# Allegro board AX7021B.brd (continued)
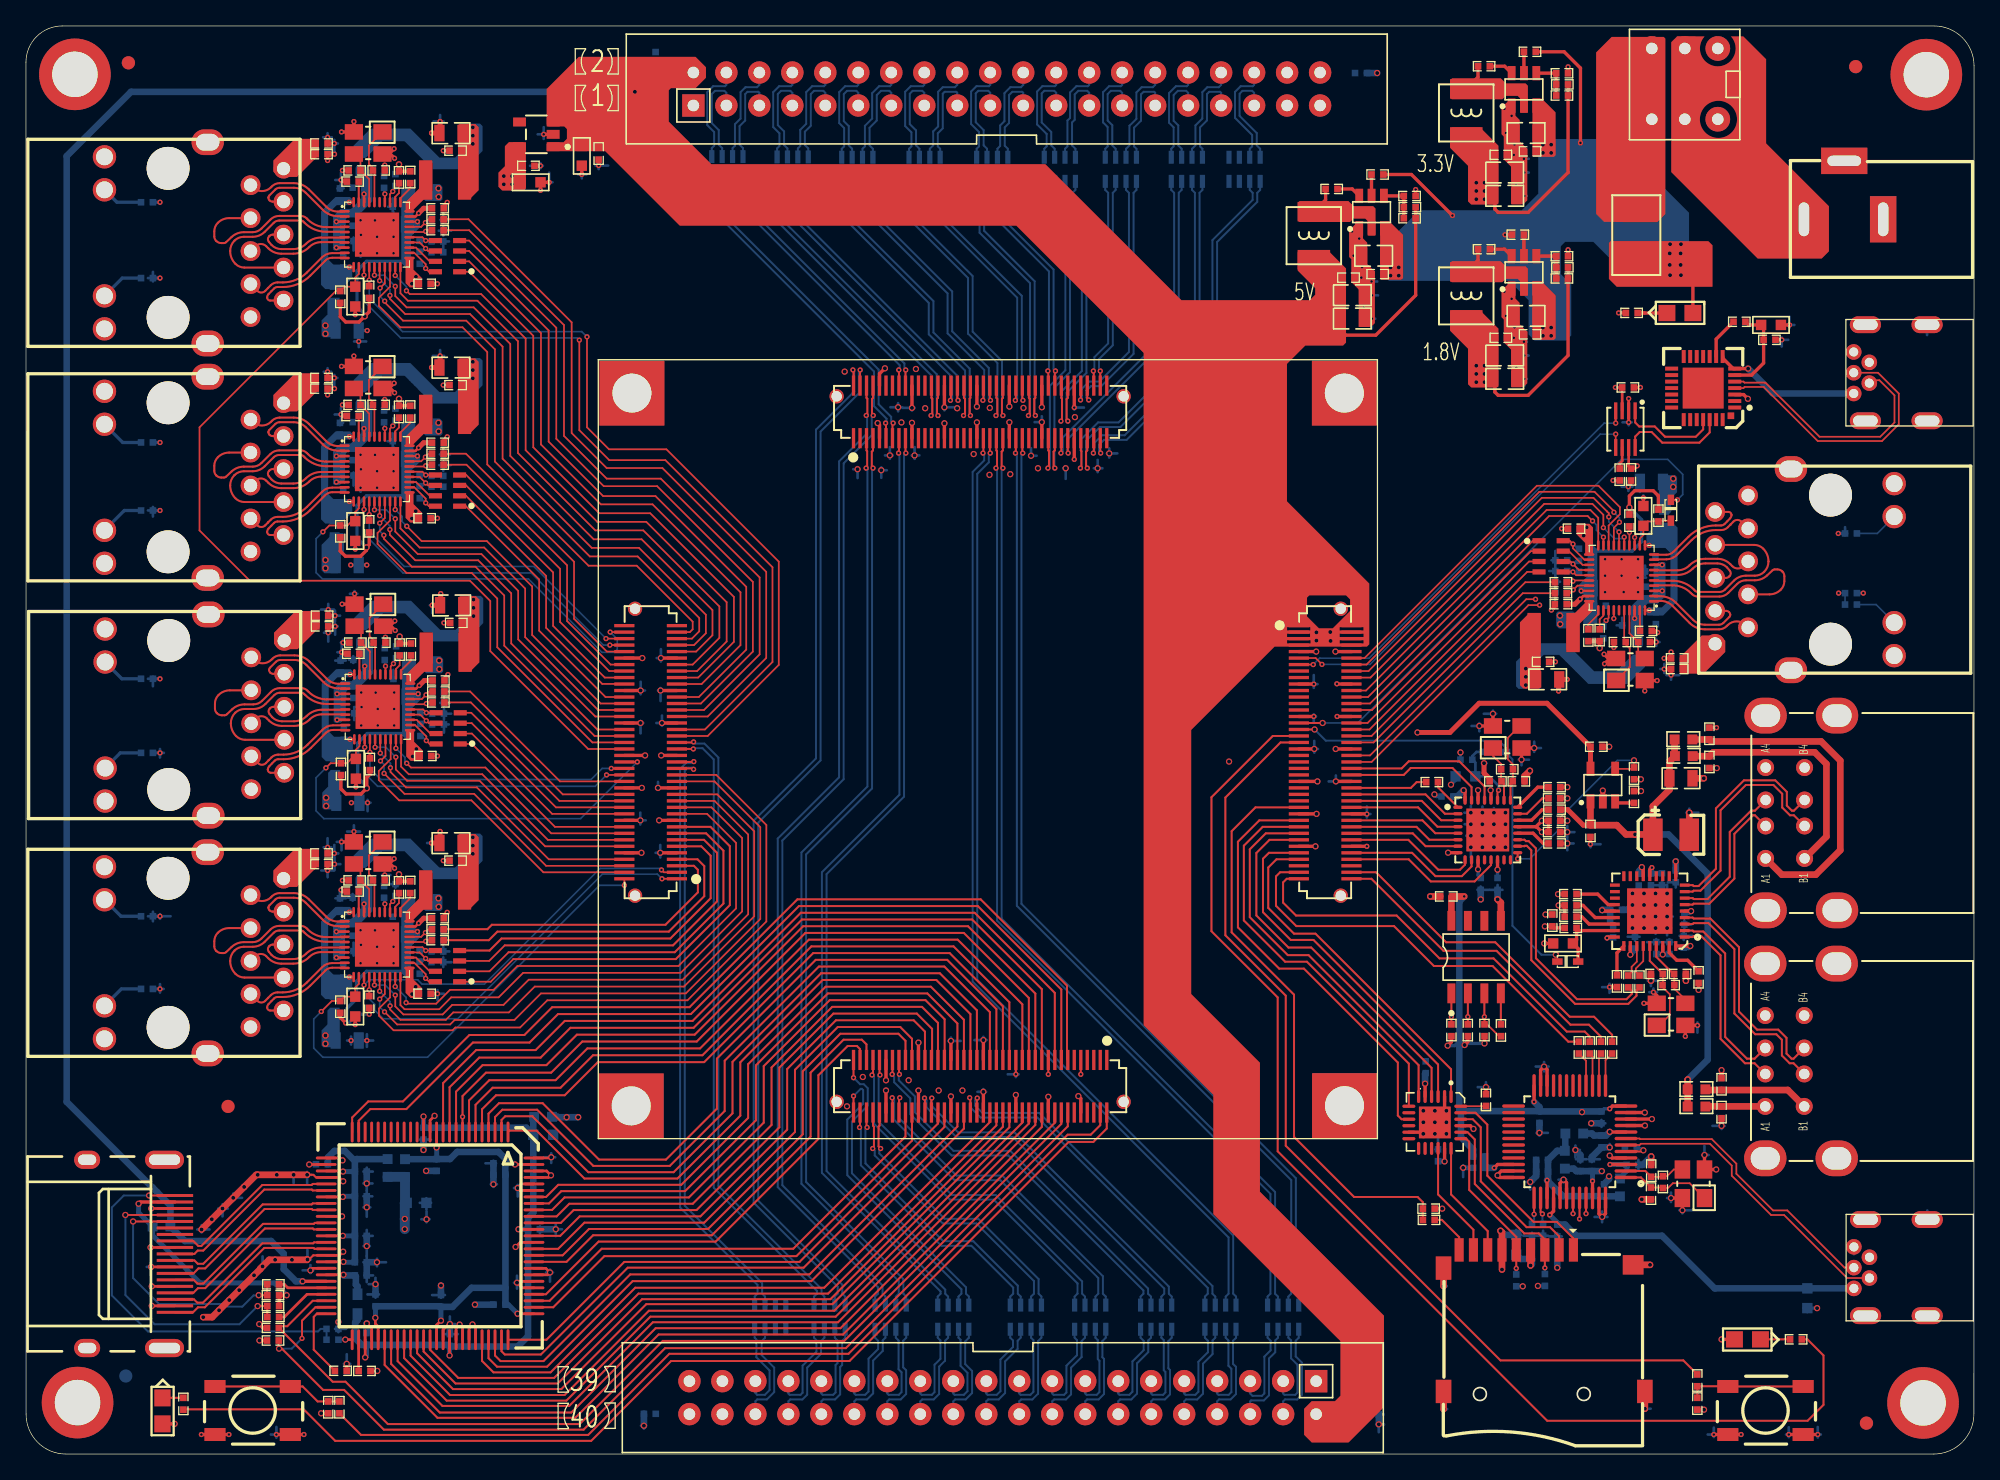
[diagram p0: board, top side]
## Routing (per net, layer and track width the routed paths; a pad name or vN(x,y) marks a point on that pad's centre or on a via; arc(x,y) is an arc through that point) (continued)
  BOTTOM w0.203: 124.5,3.49 v3(124.66,3.49) ; v3(124.66,3.49) 124.66,4.05 ; v3(124.66,3.49) 125.11,3.49 ; v3(124.66,3.49) 124.66,3.33 ; 125.49,42.09 v3(125.49,42.29) ; v3(125.49,42.29) 124.92,42.29 ; v3(125.49,42.29) 125.69,42.29 ; v3(125.49,42.29) 125.49,42.73 ; C16.2 121.19,22.71 ; C16.2 120.58,22.49 ; C16.2 120.37,22.71 ; 110.79,48.51 v3(111.26,48.51) ; v3(111.26,48.51) 111.26,48.91 ; v3(111.26,48.51) 111.66,48.51 ; v3(111.26,48.51) 111.26,47.98 ; 31.77,37.89 R1053.1 ; R1053.1 32.77,37.89 ; R1053.1 32.14,38.25 ; R1053.1 32.14,37.51 ; 31.79,94.23 R1112.1 ; R1112.1 32.14,94.58 ; R1112.1 32.14,93.84 ; R1112.1 32.75,94.23 ; 108.99,3.46 v3(109.16,3.46) ; v3(109.16,3.46) 109.44,3.46 ; v3(109.16,3.46) 109.16,2.73 ; v3(109.16,3.46) 109.16,3.63 ; 124.92,40.51 v3(125.49,40.51) ; v3(125.49,40.51) 125.69,40.51 ; v3(125.49,40.51) 125.49,40.72 ; v3(125.49,40.51) 125.49,40.08 ; v1(103.64,87.45) 103.9,87.45 ; v1(103.64,87.45) 103.47,87.45 ; v1(103.64,87.45) 103.64,86.7 ; v1(103.64,87.45) 103.64,87.63 ; 98.98,56.81 v1(99.17,56.81) ; v1(99.17,56.81) 99.34,56.81 ; v1(99.17,56.81) 99.17,56.33 ; v1(99.17,56.81) 99.17,56.98 ; 28.05,59.7 C1525.2 ; C1525.2 28.44,59.7 ; C1525.2 28.3,60.4 ; C1525.2 28.3,59.56 ; 35.8,20.78 v3(36,20.78) ; v3(36,20.78) 36,20.58 ; v3(36,20.78) 36.26,20.78 ; 24.25,62.5 v1(24.42,62.5) ; v1(24.42,62.5) 24.42,62.33 ; v1(24.42,62.5) 24.95,62.5 ; v1(24.42,62.5) 24.42,62.72 ; v3(113.04,49.4) 113.04,49.76 ; v3(113.04,49.4) 113.69,49.4 ; v3(113.04,49.4) 113.04,49.14 ; v3(113.04,49.4) 112.78,49.4 ; 114.92,82.82 v1(115.38,82.82) ; v1(115.38,82.82) 115.38,82.27 ; v1(115.38,82.82) 115.57,82.82 ; v1(115.38,82.82) 115.38,83.01 ; 77.4,76.74 v3(77.4,76.9) ; v3(77.4,76.9) 77.24,76.9 ; v3(77.4,76.9) 77.4,77.48 ; v3(77.4,76.9) 77.82,76.9 ; v1(76.23,29.25) 76.23,29.63 ; v1(76.23,29.25) 75.6,29.25 ; v1(76.23,29.25) 76.44,29.25 ; v1(76.23,29.25) 76.23,29.04 ; 111.02,46.74 v3(111.26,46.74) ; v3(111.26,46.74) 111.26,45.97 ; v3(111.26,46.74) 111.26,46.9 ; v3(111.26,46.74) 111.42,46.74 ; 25.36,86.54 C1555.2 25.62,87.06 ; 82.23,75.93 v3(82.53,75.93) ; v3(82.53,75.93) 82.53,75.63 ; v3(82.53,75.93) 82.89,75.93 ; v3(82.53,75.93) 82.53,76.57 ; C81.2 30.84,19.7 ; C81.2 30.33,19.35 ; C81.2 31.19,19.35 ; C81.2 30.84,18.85 ; v3(118.69,47.03) 118.69,47.36 ; v3(118.69,47.03) 118.69,46.51 ; v3(118.69,47.03) 119.17,47.03 ; v3(118.69,47.03) 118.36,47.03 ; R1093.1 32.14,77.48 ; R1093.1 32.14,76.74 ; R1093.1 32.66,77 ; R1093.1 31.88,77 ; 112.15,47.02 v3(112.15,47.62) ; v3(112.15,47.62) 112.15,47.86 ; v3(112.15,47.62) 111.91,47.62 ; v3(112.15,47.62) 112.55,47.62 ; v1(103.62,90.32) 103.62,90.62 ; v1(103.62,90.32) 103.31,90.32 ; v1(103.62,90.32) 103.62,89.75 ; v1(103.62,90.32) 104.05,90.32 ; 25.76,92.23 v1(25.76,92.49) ; v1(25.76,92.49) 25.76,93.17 ; v1(25.76,92.49) 25.44,92.49 ; v1(25.76,92.49) 26.03,92.49 ; v3(80.06,75.93) 80.22,75.93 ; v3(80.06,75.93) 80.06,75.11 ; v3(80.06,75.93) 79.87,75.93 ; v3(80.06,75.93) 80.06,76.09 ; v1(40.29,97.96) 40.55,97.96 ; v1(40.29,97.96) 40.09,97.96 ; v1(40.29,97.96) 40.29,98.71 ; v1(40.29,97.96) 40.29,97.75 ; 40.05,13.99 v3(40.35,13.99) ; v3(40.35,13.99) 40.35,14.21 ; v3(40.35,13.99) 40.58,13.99 ; v3(40.35,13.99) 40.35,13.28 ; R1104.2 9.78,91.05 ; R1104.2 9.4,90.58 ; R1104.2 9.78,90.32 ; 124.11,67.24 v1(124.11,67.51) ; v1(124.11,67.51) 123.84,67.51 ; v1(124.11,67.51) 124.76,67.51 ; v1(124.11,67.51) 124.11,67.87 ; C1488.2 122.91,64.42 ; C1488.2 122.49,63.83 ; C1488.2 122.91,63.65 ; C1488.2 123.08,63.83 ; v1(99.17,59.3) 99.17,60 ; v1(99.17,59.3) 99.17,59.02 ; v1(99.17,59.3) 99.45,59.3 ; v1(99.17,59.3) 98.86,59.3 ; 24.03,79.43 C1539.2 ; C1539.2 24.18,79.25 ; C1539.2 24.18,79.58 ; C1539.2 24.42,79.43 ; 112.96,56.72 v3(112.96,57.02) ; v3(112.96,57.02) 112.26,57.02 ; v3(112.96,57.02) 112.96,57.27 ; v3(112.96,57.02) 113.21,57.02 ; v3(21.9,14.15) 21.9,14.56 ; v3(21.9,14.15) 21.9,13.94 ; v3(21.9,14.15) 21.31,14.15 ; v3(21.9,14.15) 22.11,14.15 ; 37.81,12.75 v3(37.81,13.2) ; v3(37.81,13.2) 37.58,13.2 ; v3(37.81,13.2) 38,13.2 ; v3(37.81,13.2) 37.81,13.74 ; 112.28,53.02 v3(112.28,53.21) ; v3(112.28,53.21) 112.12,53.21 ; v3(112.28,53.21) 112.28,53.55 ; v3(112.28,53.21) 112.47,53.21 ; 23.42,100.95 v1(23.75,100.95) ; v1(23.75,100.95) 23.75,100.27 ; v1(23.75,100.95) 24.02,100.95 ; v1(23.75,100.95) 23.75,101.22 ; v3(99.21,54.31) 99.49,54.31 ; v3(99.21,54.31) 99.21,54.93 ; v3(99.21,54.31) 99.21,54.03 ; v3(99.21,54.31) 98.82,54.31 ; J15.37 53.63,5.96 ; J15.37 53.63,5.43 ; J15.37 53.81,5.61 ; J15.37 52.97,5.61 ; v1(115.35,85.68) 115.35,85.9 ; v1(115.35,85.68) 115.35,85.26 ; v1(115.35,85.68) 114.77,85.68 ; v1(115.35,85.68) 115.57,85.68 ; 68.43,76.66 v3(68.43,76.92) ; v3(68.43,76.92) 68.2,76.92 ; v3(68.43,76.92) 68.43,77.56 ; v3(68.43,76.92) 68.8,76.92 ; 111.77,49.4 v3(112.15,49.4) ; v3(112.15,49.4) 112.69,49.4 ; v3(112.15,49.4) 112.15,49.03 ; v3(112.15,49.4) 112.15,49.87 ; 114.78,99.77 v1(115.35,99.77) ; v1(115.35,99.77) 115.35,99.34 ; v1(115.35,99.77) 115.72,99.77 ; v1(115.35,99.77) 115.35,100.14 ; v3(13.52,17.3) 13.52,17.63 ; v3(13.52,17.3) 13.19,17.3 ; v3(13.52,17.3) 13.52,17.07 ; v3(13.52,17.3) 14.13,17.3 ; v3(27.03,14.77) 27.72,14.77 ; v3(27.03,14.77) 27.03,14.46 ; v3(27.03,14.77) 27.03,15.04 ; 30.44,18.08 v3(30.85,18.08) ; v3(30.85,18.08) 30.85,18.69 ; v3(30.85,18.08) 31.08,18.08 ; v3(30.85,18.08) 30.85,17.85 ; 116.32,24.74 v3(116.55,24.74) ; v3(116.55,24.74) 117.19,24.74 ; v3(116.55,24.74) 116.55,24.52 ; 140.08,70.76 R1034.2 ; R1034.2 140.23,70.91 ; R1034.2 140.08,71.39 ; 73.73,27.54 v3(73.73,27.9) ; v3(73.73,27.9) 73.94,27.9 ; v3(73.73,27.9) 73.28,27.9 ; v3(73.73,27.9) 73.73,28.11 ; C1.2 117.92,17.02 ; C1.2 118.26,16.76 ; C1.2 117.26,16.76 ; 42.8,98.26 v1(42.8,98.57) ; v1(42.8,98.57) 42.5,98.57 ; v1(42.8,98.57) 43.17,98.57 ; v1(42.8,98.57) 42.8,99.21 ; v1(10.32,54.01) 10.32,54.3 ; v1(10.32,54.01) 10.32,53.65 ; v1(10.32,54.01) 10.61,54.01 ; v3(15.14,18.91) 15.54,18.91 ; v3(15.14,18.91) 14.81,18.91 ; v3(15.14,18.91) 15.14,19.24 ; v3(15.14,18.91) 15.14,18.31 ; 43.85,99.25 v1(44.1,99.25) ; v1(44.1,99.25) 44.1,99.5 ; v1(44.1,99.25) 44.83,99.25 ; v1(44.1,99.25) 44.1,98.98 ; 48.84,45.95 v3(48.84,46.31) ; v3(48.84,46.31) 48.49,46.31 ; v3(48.84,46.31) 48.84,46.91 ; v3(48.84,46.31) 49.25,46.31 ; 117.77,65.55 R1041.1 ; R1041.1 117.57,66.36 ; R1041.1 117.77,66.54 ; R1041.1 117.95,66.36 ; C225.2 127.7,41.1 ; C225.2 128.21,40.79 ; C225.2 127.43,40.79 ; C225.2 127.7,40.52 ; v1(137.98,1.5) 138.21,1.5 ; v1(137.98,1.5) 137.55,1.5 ; v1(137.98,1.5) 137.98,1.27 ; v1(137.98,1.5) 137.98,2.08 ; 9.4,72.68 R1086.2 ; R1086.2 9.78,72.95 ; R1086.2 9.78,72.22 ; 37.58,20.49 v3(37.86,20.49) ; v3(37.86,20.49) 37.86,19.84 ; v3(37.86,20.49) 38.1,20.49 ; v3(37.86,20.49) 37.86,20.73 ; v1(31.89,102.64) 31.89,103.14 ; v1(31.89,102.64) 31.38,102.64 ; v1(31.89,102.64) 31.89,102.37 ; v1(31.89,102.64) 32.16,102.64 ; v3(113.04,48.51) 113.04,48.75 ; v3(113.04,48.51) 113.67,48.51 ; v3(113.04,48.51) 113.04,48.14 ; v3(113.04,48.51) 112.8,48.51 ; v1(123.39,74.51) 123.71,74.51 ; v1(123.39,74.51) 122.88,74.51 ; v1(123.39,74.51) 123.39,74.19 ; v1(123.39,74.51) 123.39,75 ; 31.23,46.46 v1(31.23,47.06) ; v1(31.23,47.06) 31.64,47.06 ; v1(31.23,47.06) 30.89,47.06 ; v1(31.23,47.06) 31.23,47.41 ; v3(100.87,51.81) 100.87,52.26 ; v3(100.87,51.81) 101.01,51.81 ; v3(100.87,51.81) 100.32,51.81 ; v3(100.87,51.81) 100.87,51.67 ; HOLE3.1 101.54,27.19 ; HOLE3.1 102.16,26.83 ; HOLE3.1 101.18,26.83 ; HOLE3.1 101.54,26.45 ; J16.37 97.11,104.24 ; J16.37 96.75,103.87 ; J16.37 97.54,103.87 ; J16.37 97.11,103.29 ; 21.65,20.84 v3(21.65,21.51) ; v3(21.65,21.51) 21.43,21.51 ; v3(21.65,21.51) 21.99,21.51 ; v3(21.65,21.51) 21.65,21.73 ; 25.05,75.37 C1537.2 ; C1537.2 25.46,75.37 ; C1537.2 25.23,75.6 ; C1537.2 25.23,74.6 ; C15.2 124.17,22.66 ; C15.2 124.17,21.93 ; C15.2 123.87,22.28 ; 9.78,41.04 R1052.2 ; R1052.2 9.78,41.77 ; R1052.2 9.4,41.42 ; v1(26.93,58.65) 26.93,58.82 ; v1(26.93,58.65) 26.38,58.65 ; v1(26.93,58.65) 26.93,58.19 ; v1(26.93,58.65) 27.09,58.65 ; v1(115.38,98.7) 115.38,99.11 ; v1(115.38,98.7) 114.78,98.7 ; v1(115.38,98.7) 115.38,98.36 ; v1(115.38,98.7) 115.72,98.7 ; 109.16,12.79 v3(109.16,12.94) ; v3(109.16,12.94) 109.02,12.94 ; v3(109.16,12.94) 109.41,12.94 ; v3(109.16,12.94) 109.16,13.69 ; J10.P10 17.29,33.25 ; J10.P10 17.29,32.46 ; J10.P10 16.72,32.89 ; J10.P10 17.65,32.89 ; v3(40.8,17.31) 40.8,17.74 ; v3(40.8,17.31) 40.8,16.79 ; v3(40.8,17.31) 41.27,17.31 ; 31.69,34.94 v1(31.69,35.45) ; v1(31.69,35.45) 31.69,35.73 ; v1(31.69,35.45) 31.35,35.45 ; v1(31.69,35.45) 32.19,35.45 ; 25.28,56.54 C1520.2 ; C1520.2 25.28,57.45 ; C1520.2 25.67,57.06 ; C1520.2 25.1,57.06 ; 39.58,17 C66.2 ; C66.2 39.58,17.53 ; C66.2 39.36,17.31 ; 31.27,12.25 C71.2 ; C71.2 31.96,12.04 ; C71.2 32.26,12.25 ; v3(48.67,51.31) 49.22,51.31 ; v3(48.67,51.31) 48.67,51.77 ; v3(48.67,51.31) 48.51,51.31 ; v3(48.67,51.31) 48.67,51.16 ; R1076.1 32.63,57.86 ; R1076.1 32.19,58.42 ; R1076.1 31.91,57.86 ; R1076.1 32.19,57.58 ; 23.44,63.75 v1(23.81,63.75) ; v1(23.81,63.75) 23.81,63.12 ; v1(23.81,63.75) 24,63.75 ; v1(23.81,63.75) 23.81,63.95 ; 116.82,16.33 C3.1 ; C3.1 116.31,16.82 ; C3.1 116.82,17.2 ; C3.1 117.2,16.82 ; J11.16 14.44,49.17 ; J11.16 13.89,49.17 ; J11.16 14.05,48.57 ; J11.16 14.05,49.33 ; 113.74,87.67 v1(113.97,87.67) ; v1(113.97,87.67) 113.97,87.44 ; v1(113.97,87.67) 113.97,87.9 ; v1(113.97,87.67) 114.74,87.67 ; 25.23,92.7 C1551.2 ; C1551.2 25.5,93.43 ; C1551.2 25.23,93.7 ; C1551.2 25.05,93.43 ; 24.26,79.66 v1(24.26,80.07) ; v1(24.26,80.07) 24.26,80.6 ; v1(24.26,80.07) 24.67,80.07 ; v1(24.26,80.07) 23.77,80.07 ; 27.76,43.9 R1046.2 ; R1046.2 28.45,43.62 ; R1046.2 28.73,43.9 ; 39.87,101.3 v1(39.87,101.65) ; v1(39.87,101.65) 39.87,102.2 ; v1(39.87,101.65) 40.22,101.65 ; v1(39.87,101.65) 39.41,101.65 ; 3.61,106.27 H1.1 ; H1.1 4.61,106.27 ; H1.1 3.77,106.11 ; H1.1 3.77,106.44 ; v3(115.16,53.49) 115.16,53.89 ; v3(115.16,53.49) 115.74,53.49 ; v3(115.16,53.49) 115.16,53.05 ; v3(115.16,53.49) 114.94,53.49 ; 125.01,62.54 v1(125.54,62.54) ; v1(125.54,62.54) 125.54,62.8 ; v1(125.54,62.54) 125.79,62.54 ; v1(125.54,62.54) 125.54,62.25 ; J10.16 14.65,30.86 ; J10.16 13.99,31.17 ; J10.16 13.68,30.86 ; J10.16 13.99,30.51 ; v3(26.24,19) 26.51,19 ; v3(26.24,19) 25.99,19 ; v3(26.24,19) 26.24,18.28 ; C4.1 115.97,17.04 ; C4.1 116.2,16.82 ; C4.1 115.31,16.82 ; C4.1 115.97,16.48 ; 127.65,39.6 C223.2 ; C223.2 128.3,39.92 ; C223.2 127.34,39.92 ; C223.2 127.65,40.23 ; v1(23.28,65.04) 23.72,65.04 ; v1(23.28,65.04) 22.72,65.04 ; v1(23.28,65.04) 23.28,64.6 ; v1(23.28,65.04) 23.28,65.48 ; 135.54,1.5 v1(135.74,1.5) ; v1(135.74,1.5) 136.2,1.5 ; v1(135.74,1.5) 135.74,2.06 ; v1(135.74,1.5) 135.74,1.29 ; 32.64,9.07 C68.2 ; C68.2 33.26,9.24 ; C68.2 32.29,9.24 ; v3(65.86,75.78) 66.29,75.78 ; v3(65.86,75.78) 65.86,76 ; v3(65.86,75.78) 65.86,75.2 ; v3(65.86,75.78) 65.68,75.78 ; v1(128.71,33.02) 128.84,33.02 ; v1(128.71,33.02) 128.71,32.46 ; v1(128.71,33.02) 128.71,33.25 ; v1(128.71,33.02) 128.49,33.02 ; v3(21.68,14.99) 21.68,15.72 ; v3(21.68,14.99) 21.94,14.99 ; v3(21.68,14.99) 21.68,14.78 ; v3(21.68,14.99) 21.47,14.99 ; CN1.1 143.3,95.11 ; CN1.1 143.01,95.61 ; CN1.1 143.01,94.82 ; CN1.1 142.51,95.11 ; 125.86,60.47 v1(126.16,60.47) ; v1(126.16,60.47) 126.77,60.47 ; v1(126.16,60.47) 126.16,60.87 ; v1(126.16,60.47) 126.16,60.16 ; 15.72,19.74 v3(15.96,19.74) ; v3(15.96,19.74) 16.64,19.74 ; v3(15.96,19.74) 15.96,19.49 ; v3(15.96,19.74) 15.96,20.07 ; v1(26.3,50.17) 26.53,50.17 ; v1(26.3,50.17) 26.3,50.39 ; v1(26.3,50.17) 26.3,49.52 ; 127.04,43.64 C226.2 ; C226.2 126.43,44.04 ; C226.2 127.04,44.19 ; C226.2 127.2,44.04 ; 24.26,97.76 v1(24.26,98.13) ; v1(24.26,98.13) 24.63,98.13 ; v1(24.26,98.13) 24.26,98.7 ; v1(24.26,98.13) 23.82,98.13 ; 27.48,76.37 C1541.2 ; C1541.2 27.48,76.85 ; C1541.2 28.2,76.66 ; C1541.2 27.29,76.66 ; v1(80.73,80.61) 80.73,80.81 ; v1(80.73,80.61) 81.47,80.61 ; v1(80.73,80.61) 80.73,80.45 ; v1(80.73,80.61) 80.62,80.61 ; 22.95,63.26 v1(23.28,63.26) ; v1(23.28,63.26) 23.28,62.58 ; v1(23.28,63.26) 23.28,63.47 ; v1(23.28,63.26) 23.49,63.26 ; 110.91,47.62 v3(111.26,47.62) ; v3(111.26,47.62) 111.54,47.62 ; v3(111.26,47.62) 111.26,47.9 ; v3(111.26,47.62) 111.26,46.97 ; 133.37,22.78 J5.S1 ; J5.S1 133.94,22.37 ; J5.S1 134.34,22.78 ; J5.S1 133.94,23.22 ; 31.33,84.58 v1(31.89,84.58) ; v1(31.89,84.58) 32.2,84.58 ; v1(31.89,84.58) 31.89,85.04 ; v1(31.89,84.58) 31.89,84.27 ; v3(9.64,14.41) 9.64,14.75 ; v3(9.64,14.41) 9.98,14.41 ; v3(9.64,14.41) 9.64,13.74 ; v3(9.64,14.41) 9.3,14.41 ; v1(103.26,49.3) 103.53,49.3 ; v1(103.26,49.3) 102.83,49.3 ; v1(103.26,49.3) 103.26,49.88 ; v1(103.26,49.3) 103.26,49.02 ; C11.2 121.32,25.73 ; C11.2 121.62,25.48 ; C11.2 121.32,25.2 ; 135.59,75.87 J4.16 ; J4.16 136.14,75.87 ; J4.16 135.91,76.56 ; J4.16 135.91,75.65 ; 64.03,75.18 v3(64.03,75.86) ; v3(64.03,75.86) 64.2,75.86 ; v3(64.03,75.86) 63.71,75.86 ; v3(64.03,75.86) 64.03,76.02 ; 108.83,26.44 v3(109.38,26.44) ; v3(109.38,26.44) 109.38,26.65 ; v3(109.38,26.44) 109.59,26.44 ; v3(109.38,26.44) 109.38,25.98 ; 25.21,60.94 C1517.2 ; C1517.2 25.21,61.45 ; C1517.2 24.88,61.17 ; C1517.2 25.38,61.17 ; C79.2 26.24,22.06 ; C79.2 26.71,21.76 ; C79.2 25.99,21.76 ; 23.98,61.76 v1(24.31,61.76) ; v1(24.31,61.76) 24.31,62.44 ; v1(24.31,61.76) 24.47,61.76 ; v1(24.31,61.76) 24.31,61.61 ; 114.57,99.92 v1(114.57,100.07) ; v1(114.57,100.07) 115.08,100.07 ; v1(114.57,100.07) 114.57,100.57 ; v1(114.57,100.07) 114.41,100.07 ; v3(70.73,80.63) 70.73,80.87 ; v3(70.73,80.63) 71.49,80.63 ; v3(70.73,80.63) 70.73,80.39 ; v3(70.73,80.63) 70.61,80.63 ; 103.25,89.25 v1(103.64,89.25) ; v1(103.64,89.25) 103.64,88.71 ; v1(103.64,89.25) 104.11,89.25 ; v1(103.64,89.25) 103.64,89.64 ; 28.25,77.61 C1542.2 ; C1542.2 27.84,78.02 ; C1542.2 28.42,78.02 ; C1542.2 28.25,78.62 ; v1(113.97,101.76) 113.97,101.98 ; v1(113.97,101.76) 113.97,101.52 ; v1(113.97,101.76) 114.74,101.76 ; v1(113.97,101.76) 113.75,101.76 ; 26.24,15.25 C78.2 25.99,14.77 ; v1(129.97,1.5) 129.97,2.04 ; v1(129.97,1.5) 130.16,1.5 ; v1(129.97,1.5) 129.5,1.5 ; v1(129.97,1.5) 129.97,1.31 ; v3(24.7,6.95) 24.97,6.95 ; v3(24.7,6.95) 24.7,7.68 ; v3(24.7,6.95) 24.48,6.95 ; v3(24.7,6.95) 24.7,6.73 ; J9.22 4.71,8.62 ; J9.22 5.07,8.16 ; J9.22 4.16,8.16 ; J9.22 4.71,7.81 ; 32.19,55.57 R1070.1 ; R1070.1 31.98,56.2 ; R1070.1 32.19,56.41 ; R1070.1 32.56,56.2 ; 125.81,41.4 v3(126.37,41.4) ; v3(126.37,41.4) 126.81,41.4 ; v3(126.37,41.4) 126.37,41.84 ; v3(126.37,41.4) 126.37,40.96 ; 121.37,17.86 v3(121.37,18.26) ; v3(121.37,18.26) 120.79,18.26 ; v3(121.37,18.26) 121.78,18.26 ; v3(121.37,18.26) 121.37,18.69 ; C77.2 26.24,20.28 ; C77.2 26.67,19.85 ; C77.2 25.99,19.85 ; v3(66.52,76.92) 66.52,77.56 ; v3(66.52,76.92) 66.75,76.92 ; v3(66.52,76.92) 66.52,76.66 ; v3(66.52,76.92) 66.15,76.92 ; R1036.1 118.15,68.02 ; R1036.1 117.3,68.02 ; R1036.1 117.77,67.56 ; R1036.1 117.77,68.55 ; 23.75,82.16 v1(23.75,82.89) ; v1(23.75,82.89) 23.97,82.89 ; v1(23.75,82.89) 23.75,83.12 ; v1(23.75,82.89) 23.47,82.89 ; v3(116.9,29.84) 117.25,29.84 ; v3(116.9,29.84) 116.9,29.48 ; v3(116.9,29.84) 116.26,29.84 ; v3(116.9,29.84) 116.9,30.2 ; 26.3,12.3 C73.2 ; C73.2 27.18,12.3 ; C73.2 26.92,12.04 ; J5.S3 134.25,37.78 ; J5.S3 133.94,38.31 ; J5.S3 133.46,37.78 ; J5.S3 133.94,37.46 ; J1.9 146.41,18.75 ; J1.9 146.41,17.79 ; J1.9 146.14,18.06 ; J1.9 146.72,18.06 ; 47.36,2.18 v3(47.58,2.18) ; v3(47.58,2.18) 47.58,1.95 ; v3(47.58,2.18) 47.76,2.18 ; v3(47.31,48.81) 47.72,48.81 ; v3(47.31,48.81) 47.31,48.49 ; v3(47.31,48.81) 46.99,48.81 ; v3(47.31,48.81) 47.31,49.4 ; 114.75,16.27 C22.2 ; C22.2 114.75,17.26 ; C22.2 115.13,16.88 ; 48.67,58.81 v3(48.87,58.81) ; v3(48.87,58.81) 48.87,58 ; v3(48.87,58.81) 49.06,58.81 ; v3(48.87,58.81) 48.87,59 ; 13.82,82.98 J12.15 ; J12.15 13.99,83.48 ; J12.15 13.99,82.81 ; J12.15 14.51,82.98 ; 146.25,86.99 J2.9 ; J2.9 146.4,87.14 ; J2.9 146.4,86.19 ; J2.9 146.6,86.99 ; R1111.1 32.14,95.58 ; R1111.1 31.92,95.06 ; R1111.1 32.62,95.06 ; R1111.1 32.14,94.84 ; 25.05,38.74 C1497.2 ; C1497.2 25.59,38.74 ; C1497.2 25.23,38.39 ; C1497.2 25.23,39.39 ; 136.94,33.42 J5.B4 ; J5.B4 136.45,33.78 ; J5.B4 137.29,33.78 ; J5.B4 136.94,34.3 ; C69.2 36.19,22.39 ; C69.2 35.39,22.39 ; C69.2 36,22.59 ; 25.43,93.91 v1(25.79,93.91) ; v1(25.79,93.91) 25.79,94.15 ; v1(25.79,93.91) 26.03,93.91 ; v1(25.79,93.91) 25.79,93.26 ; 135.56,86.97 v1(135.8,86.97) ; v1(135.8,86.97) 135.8,86.73 ; v1(135.8,86.97) 136.17,86.97 ; v1(135.8,86.97) 135.8,87.6 ; v1(19.28,1.5) 19.28,2.09 ; v1(19.28,1.5) 19.28,1.26 ; v1(19.28,1.5) 18.86,1.5 ; v1(19.28,1.5) 19.53,1.5 ; 110.48,22.05 v3(110.67,22.05) ; v3(110.67,22.05) 110.67,21.34 ; v3(110.67,22.05) 110.67,22.24 ; 115.38,84.28 v1(115.38,84.61) ; v1(115.38,84.61) 115.71,84.61 ; v1(115.38,84.61) 115.38,85.02 ; v1(115.38,84.61) 114.78,84.61 ; 25.62,68.95 C1538.2 25.62,68.17 ; 25.16,42.62 C1495.2 ; C1495.2 25.33,42.86 ; C1495.2 25.16,43.14 ; C1495.2 24.78,42.86 ; 25.79,38.95 v1(25.79,39.22) ; v1(25.79,39.22) 25.4,39.22 ; v1(25.79,39.22) 26.07,39.22 ; v1(25.79,39.22) 25.79,39.84 ; 120.31,46.97 v1(120.47,46.97) ; v1(120.47,46.97) 121.25,46.97 ; v1(120.47,46.97) 120.47,47.13 ; v1(120.47,46.97) 120.47,46.74 ; C1556.2 24.18,97.68 ; C1556.2 24.18,97.31 ; C1556.2 24.46,97.49 ; C1556.2 23.99,97.49 ; v3(129.25,23.03) 129.25,23.73 ; v3(129.25,23.03) 129.09,23.03 ; v3(129.25,23.03) 129.57,23.03 ; v3(129.25,23.03) 129.25,22.87 ; 23.8,9.64 R52.2 ; R52.2 24.64,9.64 ; R52.2 24.06,9.39 ; v1(23.23,44.95) 23.23,45.42 ; v1(23.23,44.95) 23.23,44.43 ; v1(23.23,44.95) 23.7,44.95 ; v1(23.23,44.95) 22.74,44.95 ; 25.25,47.46 v1(25.25,47.95) ; v1(25.25,47.95) 25.25,48.42 ; v1(25.25,47.95) 25.72,47.95 ; v1(25.25,47.95) 24.74,47.95 ; 129.87,25.27 v3(130.57,25.27) ; v3(130.57,25.27) 130.57,25.58 ; v3(130.57,25.27) 130.57,25.04 ; v3(130.57,25.27) 130.8,25.27 ; 123.42,79.24 v1(123.42,79.47) ; v1(123.42,79.47) 122.95,79.47 ; v1(123.42,79.47) 123.64,79.47 ; v1(123.42,79.47) 123.42,80.01 ; v3(125.49,41.4) 125.49,41.73 ; v3(125.49,41.4) 125.81,41.4 ; v3(125.49,41.4) 125.49,41.08 ; v3(125.49,41.4) 124.8,41.4 ; 146.4,79.15 J2.8 ; J2.8 146.4,80.09 ; J2.8 145.96,79.59 ; J2.8 146.9,79.59 ; 23.94,47.15 v1(24.3,47.15) ; v1(24.3,47.15) 24.3,46.51 ; v1(24.3,47.15) 24.51,47.15 ; v1(24.3,47.15) 24.3,47.36 ; v1(23.75,46.26) 24.06,46.26 ; v1(23.75,46.26) 23.39,46.26 ; v1(23.75,46.26) 23.75,45.95 ; v1(23.75,46.26) 23.75,46.91 ; 141.66,10.47 J1.6 ; J1.6 141.66,10.99 ; J1.6 141.47,10.66 ; J1.6 142.33,10.66 ; v3(119.31,23.42) 119.66,23.42 ; v3(119.31,23.42) 119.2,23.42 ; v3(119.31,23.42) 119.31,23.76 ; v3(119.31,23.42) 119.31,22.84 ; v3(111.91,56.08) 112.14,56.08 ; v3(111.91,56.08) 111.91,56.3 ; v3(111.91,56.08) 111.91,55.67 ; v3(111.91,56.08) 111.32,56.08 ; 133.47,56.88 J6.S3 ; J6.S3 134.24,56.88 ; J6.S3 133.96,57.39 ; J6.S3 133.96,56.6 ; C233.2 126.21,43.81 ; C233.2 125.98,44.13 ; C233.2 125.98,43.59 ; C233.2 125.41,43.81 ; v3(118.69,47.91) 119.24,47.91 ; v3(118.69,47.91) 118.69,48.37 ; v3(118.69,47.91) 118.69,47.52 ; v3(118.69,47.91) 118.41,47.91 ; 9.78,59.14 R1069.2 ; R1069.2 9.78,59.87 ; R1069.2 9.4,59.71 ; v3(18.22,14.45) 18.22,15.22 ; v3(18.22,14.45) 18.22,14.28 ; v3(18.22,14.45) 18.39,14.45 ; v3(18.22,14.45) 17.98,14.45 ; R1042.1 117.77,67.55 ; R1042.1 118.13,67.19 ; R1042.1 117.77,66.55 ; R1042.1 117.39,67.19 ; C54.2 112.69,43.46 ; C54.2 112.02,43.71 ; C54.2 111.77,43.46 ; C1485.2 124.68,68.44 ; C1485.2 124.68,67.68 ; C1485.2 124.37,67.99 ; C1485.2 124.85,67.99 ; 10.32,41.23 v1(10.32,41.42) ; v1(10.32,41.42) 11.13,41.42 ; v1(10.32,41.42) 10.32,41.58 ; C1499.2 24.62,42.8 ; C1499.2 23.83,42.8 ; C1499.2 24.18,43.37 ; C1499.2 24.18,42.62 ; v1(27.63,44.6) 27.63,44.81 ; v1(27.63,44.6) 28.07,44.6 ; v1(27.63,44.6) 27.42,44.6 ; v1(27.63,44.6) 27.63,44.03 ; v1(26.25,31.85) 26.25,32.33 ; v1(26.25,31.85) 26.74,31.85 ; v1(26.25,31.85) 26.25,31.36 ; 20.42,21.51 v3(20.61,21.51) ; v3(20.61,21.51) 20.61,20.88 ; v3(20.61,21.51) 20.99,21.51 ; v3(20.61,21.51) 20.61,21.7 ; v3(112.43,28.26) 112.67,28.26 ; v3(112.43,28.26) 111.8,28.26 ; v3(112.43,28.26) 112.43,28.02 ; v3(112.43,28.26) 112.43,28.64 ; HOLE1.1 47.27,81.72 ; HOLE1.1 46.66,81.95 ; HOLE1.1 46.66,81.33 ; HOLE1.1 46.44,81.72 ; 73.73,31.56 v3(73.73,31.89) ; v3(73.73,31.89) 73.73,32.13 ; v3(73.73,31.89) 73.04,31.89 ; v3(73.73,31.89) 73.97,31.89 ; v1(115.38,96.91) 115.57,96.91 ; v1(115.38,96.91) 114.93,96.91 ; v1(115.38,96.91) 115.38,97.1 ; v1(115.38,96.91) 115.38,96.69 ; v3(71.23,31.82) 71.23,32.08 ; v3(71.23,31.82) 71.97,31.82 ; v3(71.23,31.82) 71.23,31.62 ; v3(71.23,31.82) 71.02,31.82 ; v1(23.23,46.73) 23.23,47.43 ; v1(23.23,46.73) 22.92,46.73 ; v1(23.23,46.73) 23.23,46.44 ; v1(23.23,46.73) 23.52,46.73 ; 28.31,38.44 v1(28.31,39.07) ; v1(28.31,39.07) 27.93,39.07 ; v1(28.31,39.07) 28.31,39.33 ; v1(28.31,39.07) 28.42,39.07 ; R1106.1 32.14,93.57 ; R1106.1 32.14,92.83 ; R1106.1 32.57,93.4 ; R1106.1 31.97,93.4 ; 25.3,65.62 v1(25.3,66.26) ; v1(25.3,66.26) 24.94,66.26 ; v1(25.3,66.26) 25.3,66.48 ; v1(25.3,66.26) 25.52,66.26 ; C56.2 113.7,43.46 ; C56.2 112.78,43.46 ; C56.2 113.32,43.84 ; R1037.1 117.77,69.56 ; R1037.1 118.05,68.84 ; R1037.1 117.48,68.84 ; R1037.1 117.77,68.57 ; R1071.1 32.19,57.41 ; R1071.1 32.74,57.03 ; R1071.1 32.19,56.57 ; R1071.1 31.81,57.03 ; v1(25.76,74.43) 25.76,75.07 ; v1(25.76,74.43) 25.39,74.43 ; v1(25.76,74.43) 26.07,74.43 ; v1(25.76,74.43) 25.76,74.12 ; 27.25,94.72 C1559.2 ; C1559.2 28.24,94.72 ; C1559.2 27.48,94.47 ; C1559.2 27.48,94.95 ; 23.23,100.75 v1(23.23,101.42) ; v1(23.23,101.42) 22.88,101.42 ; v1(23.23,101.42) 23.55,101.42 ; v1(23.23,101.42) 23.23,101.74 ; 118.02,21.13 v3(118.4,21.13) ; v3(118.4,21.13) 118.4,21.32 ; v3(118.4,21.13) 118.4,20.92 ; v3(118.4,21.13) 118.61,21.13 ; C1489.2 124.52,74.88 ; C1489.2 124.08,74.88 ; C1489.2 124.28,75.08 ; C1489.2 124.28,74.11 ; 125.85,39.43 C230.2 ; C230.2 126.78,39.43 ; C230.2 126.55,39.13 ; C230.2 126.55,39.65 ; J2.6 141.65,79.88 ; J2.6 141.87,79.59 ; J2.6 140.93,79.59 ; J2.6 141.65,79.37 ; 10.32,35.55 v1(10.32,35.83) ; v1(10.32,35.83) 10.6,35.83 ; v1(10.32,35.83) 10.32,36.2 ; C76.1 26.73,13.76 ; C76.1 26.06,13.76 ; C76.1 26.24,13.25 ; 126.37,19.72 v3(126.68,19.72) ; v3(126.68,19.72) 126.68,20.14 ; v3(126.68,19.72) 126.68,19.41 ; v3(126.68,19.72) 127.26,19.72 ; v3(26.92,13.08) 26.92,13.57 ; v3(26.92,13.08) 27.08,13.08 ; v3(26.92,13.08) 26.39,13.08 ; 115.85,54.38 v3(116.14,54.38) ; v3(116.14,54.38) 116.14,54.09 ; v3(116.14,54.38) 116.14,54.87 ; v3(116.14,54.38) 116.66,54.38 ; 32.14,75.73 R1094.1 ; R1094.1 32.14,76.47 ; R1094.1 31.84,76.17 ; R1094.1 32.71,76.17 ; 108.73,23.32 C23.2 ; C23.2 108.54,23.47 ; C23.2 108.73,24.28 ; C23.2 108.88,23.47 ; 115.83,20.37 v3(115.83,20.95) ; v3(115.83,20.95) 116.08,20.95 ; v3(115.83,20.95) 115.83,21.21 ; v3(115.83,20.95) 115.42,20.95 ; C1492.2 122.42,66.92 ; C1492.2 122.42,66.18 ; C1492.2 121.94,66.7 ; C1492.2 122.64,66.7 ; J1.5 141.2,15.96 ; J1.5 140.59,15.96 ; J1.5 140.76,16.12 ; J1.5 140.76,15.39 ; C75.2 30.61,24.48 ; C75.2 31.18,24.22 ; C75.2 30.34,24.22 ; 26.88,40.03 v1(26.88,40.34) ; v1(26.88,40.34) 26.3,40.34 ; v1(26.88,40.34) 27.18,40.34 ; v1(26.88,40.34) 26.88,40.76 ; v1(121.94,35.96) 122.2,35.96 ; v1(121.94,35.96) 121.37,35.96 ; v1(121.94,35.96) 121.94,36.22 ; v1(121.94,35.96) 121.94,35.53 ; 46.61,26.57 HOLE2.1 ; HOLE2.1 45.85,26.82 ; HOLE2.1 46.61,27.07 ; HOLE2.1 46.85,26.82 ; v3(78.23,79.49) 78.36,79.49 ; v3(78.23,79.49) 78.23,79.31 ; v3(78.23,79.49) 78.23,79.93 ; v3(78.23,79.49) 77.67,79.49 ; 125.93,42.29 v3(126.37,42.29) ; v3(126.37,42.29) 126.37,41.97 ; v3(126.37,42.29) 126.7,42.29 ; v3(126.37,42.29) 126.37,42.85 ; 31.94,38.72 R1054.1 ; R1054.1 32.6,38.72 ; R1054.1 32.14,39.26 ; R1054.1 32.14,38.52 ; v3(121.96,23.62) 122.11,23.62 ; v3(121.96,23.62) 121.96,23.88 ; v3(121.96,23.62) 121.96,23.47 ; 25.99,16.02 v3(26.24,16.02) ; v3(26.24,16.02) 26.48,16.02 ; v3(26.24,16.02) 26.24,15.26 ; v1(39.62,99.23) 39.62,99.44 ; v1(39.62,99.23) 38.82,99.23 ; v1(39.62,99.23) 39.62,99.04 ; v1(39.62,99.23) 39.8,99.23 ; 136.88,11.24 C2.2 ; C2.2 137.18,11.53 ; C2.2 137.18,10.93 ; 48.97,56.1 v3(48.97,56.31) ; v3(48.97,56.31) 48.54,56.31 ; v3(48.97,56.31) 48.97,56.89 ; v3(48.97,56.31) 49.19,56.31 ; v3(126.37,43.18) 126.58,43.18 ; v3(126.37,43.18) 126.37,43.86 ; v3(126.37,43.18) 126.04,43.18 ; v3(126.37,43.18) 126.37,42.98 ; 110.77,49.4 v3(111.26,49.4) ; v3(111.26,49.4) 111.26,49.92 ; v3(111.26,49.4) 111.68,49.4 ; v3(111.26,49.4) 111.26,48.98 ; v1(126.68,60) 126.68,60.38 ; v1(126.68,60) 127.31,60 ; v1(126.68,60) 126.32,60 ; v1(126.68,60) 126.68,59.64 ; 23.23,82.65 v1(23.23,83.36) ; v1(23.23,83.36) 23.23,83.64 ; v1(23.23,83.36) 22.93,83.36 ; v1(23.23,83.36) 23.51,83.36 ; 27.93,95.03 v1(28.3,95.03) ; v1(28.3,95.03) 28.3,95.66 ; v1(28.3,95.03) 28.42,95.03 ; v1(28.3,95.03) 28.3,94.77 ; 27.89,96.08 C1558.2 ; C1558.2 28.25,96.72 ; C1558.2 28.42,96.08 ; C1558.2 28.25,95.72 ; 25.99,20.84 v3(26.24,20.84) ; v3(26.24,20.84) 26.68,20.84 ; v3(26.24,20.84) 26.24,20.29 ; 133.96,41.51 J6.S1 ; J6.S1 133.96,42.3 ; J6.S1 133.38,41.88 ; J6.S1 134.33,41.88 ; 67.52,80.58 v3(68.23,80.58) ; v3(68.23,80.58) 68.23,80.88 ; v3(68.23,80.58) 68.43,80.58 ; v3(68.23,80.58) 68.23,80.38 ; v1(135.2,85.82) 135.2,86 ; v1(135.2,85.82) 135.03,85.82 ; v1(135.2,85.82) 135.7,85.82 ; v1(135.2,85.82) 135.2,85.32 ; C229.2 124.25,39.85 ; C229.2 123.34,39.85 ; C229.2 123.9,39.53 ; C229.2 123.9,40.29 ; 124.55,73.33 v1(124.55,73.65) ; v1(124.55,73.65) 124.55,73.84 ; v1(124.55,73.65) 123.86,73.65 ; v1(124.55,73.65) 124.74,73.65 ; 26.29,93.76 v1(27.03,93.76) ; v1(27.03,93.76) 27.03,93.91 ; v1(27.03,93.76) 27.03,93.5 ; v1(27.03,93.76) 27.19,93.76 ; C1522.2 24.63,61.12 ; C1522.2 23.82,61.12 ; C1522.2 24.23,60.94 ; C1522.2 24.23,61.52 ; 133.44,33.78 J5.A4 ; J5.A4 134.27,33.78 ; J5.A4 133.94,34.28 ; J5.A4 133.94,33.44 ; 136.96,52.56 J6.B4 ; J6.B4 136.46,52.88 ; J6.B4 136.96,53.39 ; J6.B4 137.28,52.88 ; 28.3,76.66 v1(28.3,76.97) ; v1(28.3,76.97) 27.88,76.97 ; v1(28.3,76.97) 28.42,76.97 ; v1(28.3,76.97) 28.3,77.55 ; 107.6,24.41 v3(107.6,24.66) ; v3(107.6,24.66) 107.35,24.66 ; v3(107.6,24.66) 107.6,25.21 ; v3(107.6,24.66) 108.06,24.66 ; v1(23.8,64.58) 23.8,64.97 ; v1(23.8,64.58) 24.18,64.58 ; v1(23.8,64.58) 23.8,64.11 ; v1(23.8,64.58) 23.26,64.58 ; 133.96,52.57 J6.A4 ; J6.A4 133.44,52.88 ; J6.A4 134.27,52.88 ; J6.A4 133.96,53.37 ; 10.67,7.73 J9.20 ; J9.20 11.1,8.16 ; J9.20 10.19,8.16 ; J9.20 10.67,8.69 ; v3(112.15,48.51) 112.66,48.51 ; v3(112.15,48.51) 112.15,48.02 ; v3(112.15,48.51) 112.15,48.87 ; v3(112.15,48.51) 111.8,48.51 ; 23.23,45.44 v1(23.76,45.44) ; v1(23.76,45.44) 23.76,45.89 ; v1(23.76,45.44) 23.76,44.96 ; v1(23.76,45.44) 24.21,45.44 ; 47.33,55.52 v3(47.33,56.31) ; v3(47.33,56.31) 47.18,56.31 ; v3(47.33,56.31) 47.33,56.46 ; v3(47.33,56.31) 47.54,56.31 ; 127.86,49.41 v3(128.08,49.41) ; v3(128.08,49.41) 128.08,49.71 ; v3(128.08,49.41) 128.08,49.19 ; v3(128.08,49.41) 128.78,49.41 ; 25.27,57.54 v1(25.84,57.54) ; v1(25.84,57.54) 25.84,57.1 ; v1(25.84,57.54) 26.2,57.54 ; v1(25.84,57.54) 25.84,57.89 ; v1(25.79,75.85) 25.79,76.05 ; v1(25.79,75.85) 25.79,75.16 ; v1(25.79,75.85) 25.48,75.85 ; v1(25.79,75.85) 25.99,75.85 ; 125.54,39.12 C231.2 ; C231.2 125.54,39.66 ; C231.2 125.77,39.43 ; C231.2 124.84,39.43 ; v3(123.71,43.18) 123.71,43.33 ; v3(123.71,43.18) 123.71,42.5 ; v3(123.71,43.18) 124.03,43.18 ; v3(123.71,43.18) 123.56,43.18 ; 125.13,36.05 v3(125.13,36.46) ; v3(125.13,36.46) 124.89,36.46 ; v3(125.13,36.46) 125.13,36.7 ; v3(125.13,36.46) 125.73,36.46 ; v1(25.62,85.7) 26.2,85.7 ; v1(25.62,85.7) 25.27,85.7 ; v1(25.62,85.7) 25.62,85.26 ; v1(125.32,35.57) 125.32,35.85 ; v1(125.32,35.57) 125.32,34.88 ; v1(125.32,35.57) 125.01,35.57 ; v1(125.32,35.57) 125.6,35.57 ; 66.57,80.63 v3(67.16,80.63) ; v3(67.16,80.63) 67.47,80.63 ; v3(67.16,80.63) 67.16,80.32 ; v3(67.16,80.63) 67.16,80.94 ; v3(47.33,58.81) 47.67,58.81 ; v3(47.33,58.81) 47.05,58.81 ; v3(47.33,58.81) 47.33,59.49 ; v3(47.33,58.81) 47.33,58.53 ; v1(31.28,65.38) 31.28,65.52 ; v1(31.28,65.38) 31.43,65.38 ; v1(31.28,65.38) 31.1,65.38 ; v1(31.28,65.38) 31.28,64.77 ; C80.2 26.24,17.26 ; C80.2 25.99,16.8 ; C80.2 26.7,16.8 ; 48.89,61.05 v3(48.89,61.31) ; v3(48.89,61.31) 48.89,61.99 ; v3(48.89,61.31) 49.16,61.31 ; v3(48.89,61.31) 48.57,61.31 ; 125.92,40.51 v3(126.37,40.51) ; v3(126.37,40.51) 126.7,40.51 ; v3(126.37,40.51) 126.37,40.84 ; v3(126.37,40.51) 126.37,39.96 ; 104.02,2.29 v3(104.18,2.29) ; v3(104.18,2.29) 104.18,1.68 ; v3(104.18,2.29) 104.58,2.29 ; 25.03,31.54 v1(25.03,31.85) ; v1(25.03,31.85) 24.73,31.85 ; v1(25.03,31.85) 25.03,32.15 ; v3(40.45,22.86) 40.76,22.86 ; v3(40.45,22.86) 39.88,22.86 ; v3(40.45,22.86) 40.45,22.42 ; v3(40.45,22.86) 40.45,23.17 ; 83.41,76.76 v3(83.41,77.08) ; v3(83.41,77.08) 83.24,77.08 ; v3(83.41,77.08) 83.41,77.46 ; v3(83.41,77.08) 84.03,77.08 ; v3(127.55,18.78) 128.32,18.78 ; v3(127.55,18.78) 127.55,18.54 ; v3(127.55,18.78) 127.32,18.78 ; v3(127.55,18.78) 127.55,19.01 ; 25.67,50.9 C1521.2 25.67,50.01 ; C190.2 104.55,3.05 ; C190.2 104.18,3.68 ; C190.2 104.02,3.05 ; 124.6,41.2 v3(124.6,41.4) ; v3(124.6,41.4) 124.8,41.4 ; v3(124.6,41.4) 123.8,41.4 ; v3(124.6,41.4) 124.6,41.61 ; 32.64,10.6 v3(32.64,10.01) 33.06,10.01 ; 119.69,22.45 C10.2 ; C10.2 120.19,22.71 ; C10.2 119.36,22.71
  BOTTOM w0.254: v1(26.25,31.85) C1498.2 v1(25.03,31.85) ; R1087.2 v1(10.32,77.92) ; C55.2 108.62,50.65 v3(108.46,50.81) ; R52.2 v3(24.06,10.17) ; v1(25.62,85.7) C1555.2 v1(26.27,86.54) ; R1068.2 v1(10.32,54.01) ; R1104.2 v1(10.32,90.58) ; v1(26.3,50.17) C1521.2 v1(25.06,50.17) ; v1(26.24,68.48) C1538.2 v1(25.01,68.48) ; R1052.2 v1(10.32,41.42) ; R1034.2 v1(139.56,70.91) ; R1086.2 v1(10.32,72.68) ; R1051.2 v1(10.32,35.83) ; v3(109.73,51.56) 110.09,51.91 C57.2 ; R1069.2 v1(10.32,59.71) ; R1105.2 v1(10.32,96.42) ; C2.2 v3(137.92,11.24)
  BOTTOM w0.381: C5.2 v3(110.67,22.05)
  BOTTOM w0.508: C191.2 v3(47.58,2.18) ; v3(123.71,42.29) 123.33,41.92 C228.2 ; C79.2 v3(26.24,20.84) ; C9.2 v3(116.55,24.74) ; C190.2 v3(104.18,2.29) ; C74.2 v3(34.57,11.51) ; C16.2 120.58,22.89 C13.2 v3(121.96,23.62) ; C69.2 C70.2 v3(36,20.78) ; C11.2 v3(120.53,25.48) ; v3(27.03,14.77) C78.2 C76.1 ; C193.2 v3(104.05,106.38) ; C15.2 124.51,22.28 v3(125.15,22.92) ; C54.2 v3(112.02,42.72) ; C56.2 v3(113.32,42.72) ; C68.2 v3(32.64,10.01) ; C72.2 v3(30.81,21.81) ; C67.2 26.22,10.03 v3(26.25,10.06) ; C1.2 v3(117.92,14.35) ; C77.2 v3(26.24,19) ; C22.2 113.86,16.88 v3(113.55,17.19) ; v3(121.9,21.39) 121.9,21.18 121.52,20.8 C14.2 ; v3(119.31,23.42) 119.69,23.04 C10.2 ; C73.2 v3(26.92,13.08) ; v3(115.83,20.95) 116.29,21.41 C12.2 C8.2 ; C66.2 v3(40.8,17.31) ; C75.2 v3(30.61,23.42) ; C80.2 v3(26.24,16.02) ; C71.2 v3(31.96,12.98)
  vias: v1(25.76,95.03) v1(25.76,76.97) v1(25.82,58.66) v1(25.82,56.12) v1(25.77,40.34) v1(25.77,37.8) v1(26.88,95.02) v1(26.88,76.96) v1(27.03,92.49) v1(27.03,75.7) v1(27.03,74.43) v1(27.09,57.39) v1(27.09,56.12) v1(27.04,39.07) v1(27.04,37.8) v1(28.3,93.76) v1(28.3,92.49) v1(28.3,75.7) v1(28.3,74.43) v1(28.31,40.34) v1(28.31,37.8) v1(28.36,58.66) v1(28.36,57.39) v1(28.36,56.12) v1(121.6,68.93) v1(121.6,67.66) v1(121.6,66.39) v1(122.87,68.93) v1(122.87,67.66) v1(123.03,66.39) v1(124.14,68.93) v1(124.14,66.39) v3(63.04,83.37) v3(63.22,26.78) v3(64.44,29.04) v3(67.41,79.46) v3(67.97,28.79) v3(68.53,83.58) v3(69.24,80.56) v3(70.28,28) v3(71.71,80.56) v3(72.11,28) v3(72.98,77.02) v3(74.22,80.58) v3(74.19,75.42) v3(75.79,75.48) v3(76.81,80.58) v3(77.93,75.93) v3(80.77,79.87) v3(92.64,53.34) v3(107.6,26.44) v3(107.6,25.55) v3(108.49,26.44) v3(108.49,25.55) v3(108.49,24.66) v3(109.38,25.55) v3(109.38,24.66) v3(112.15,46.74) v3(113.04,47.62) v3(113.04,46.74) v3(113.93,49.4) v3(113.93,48.51) v3(113.93,47.62) v3(113.93,46.74) v3(123.71,41.4) v3(123.71,40.51) v3(124.6,43.18) v3(124.6,42.29) v3(124.6,40.51) v3(125.49,43.18)
